# Altium PCB S6.PcbDoc (part 8 of 14)
Units mil, origin at the board's own origin, x right, y up, seen from the top; angles counter-clockwise.
Board outline 5250 x 2929.55 mil, 6 copper layers (Top Layer, Mid-Layer 2, Mid-Layer 4, Mid-Layer 3, Mid-Layer 1, Bottom Layer); 345 components, 365 nets, 2233 pads, 960 vias.
Unrouted connection lines stored in the file: 1.
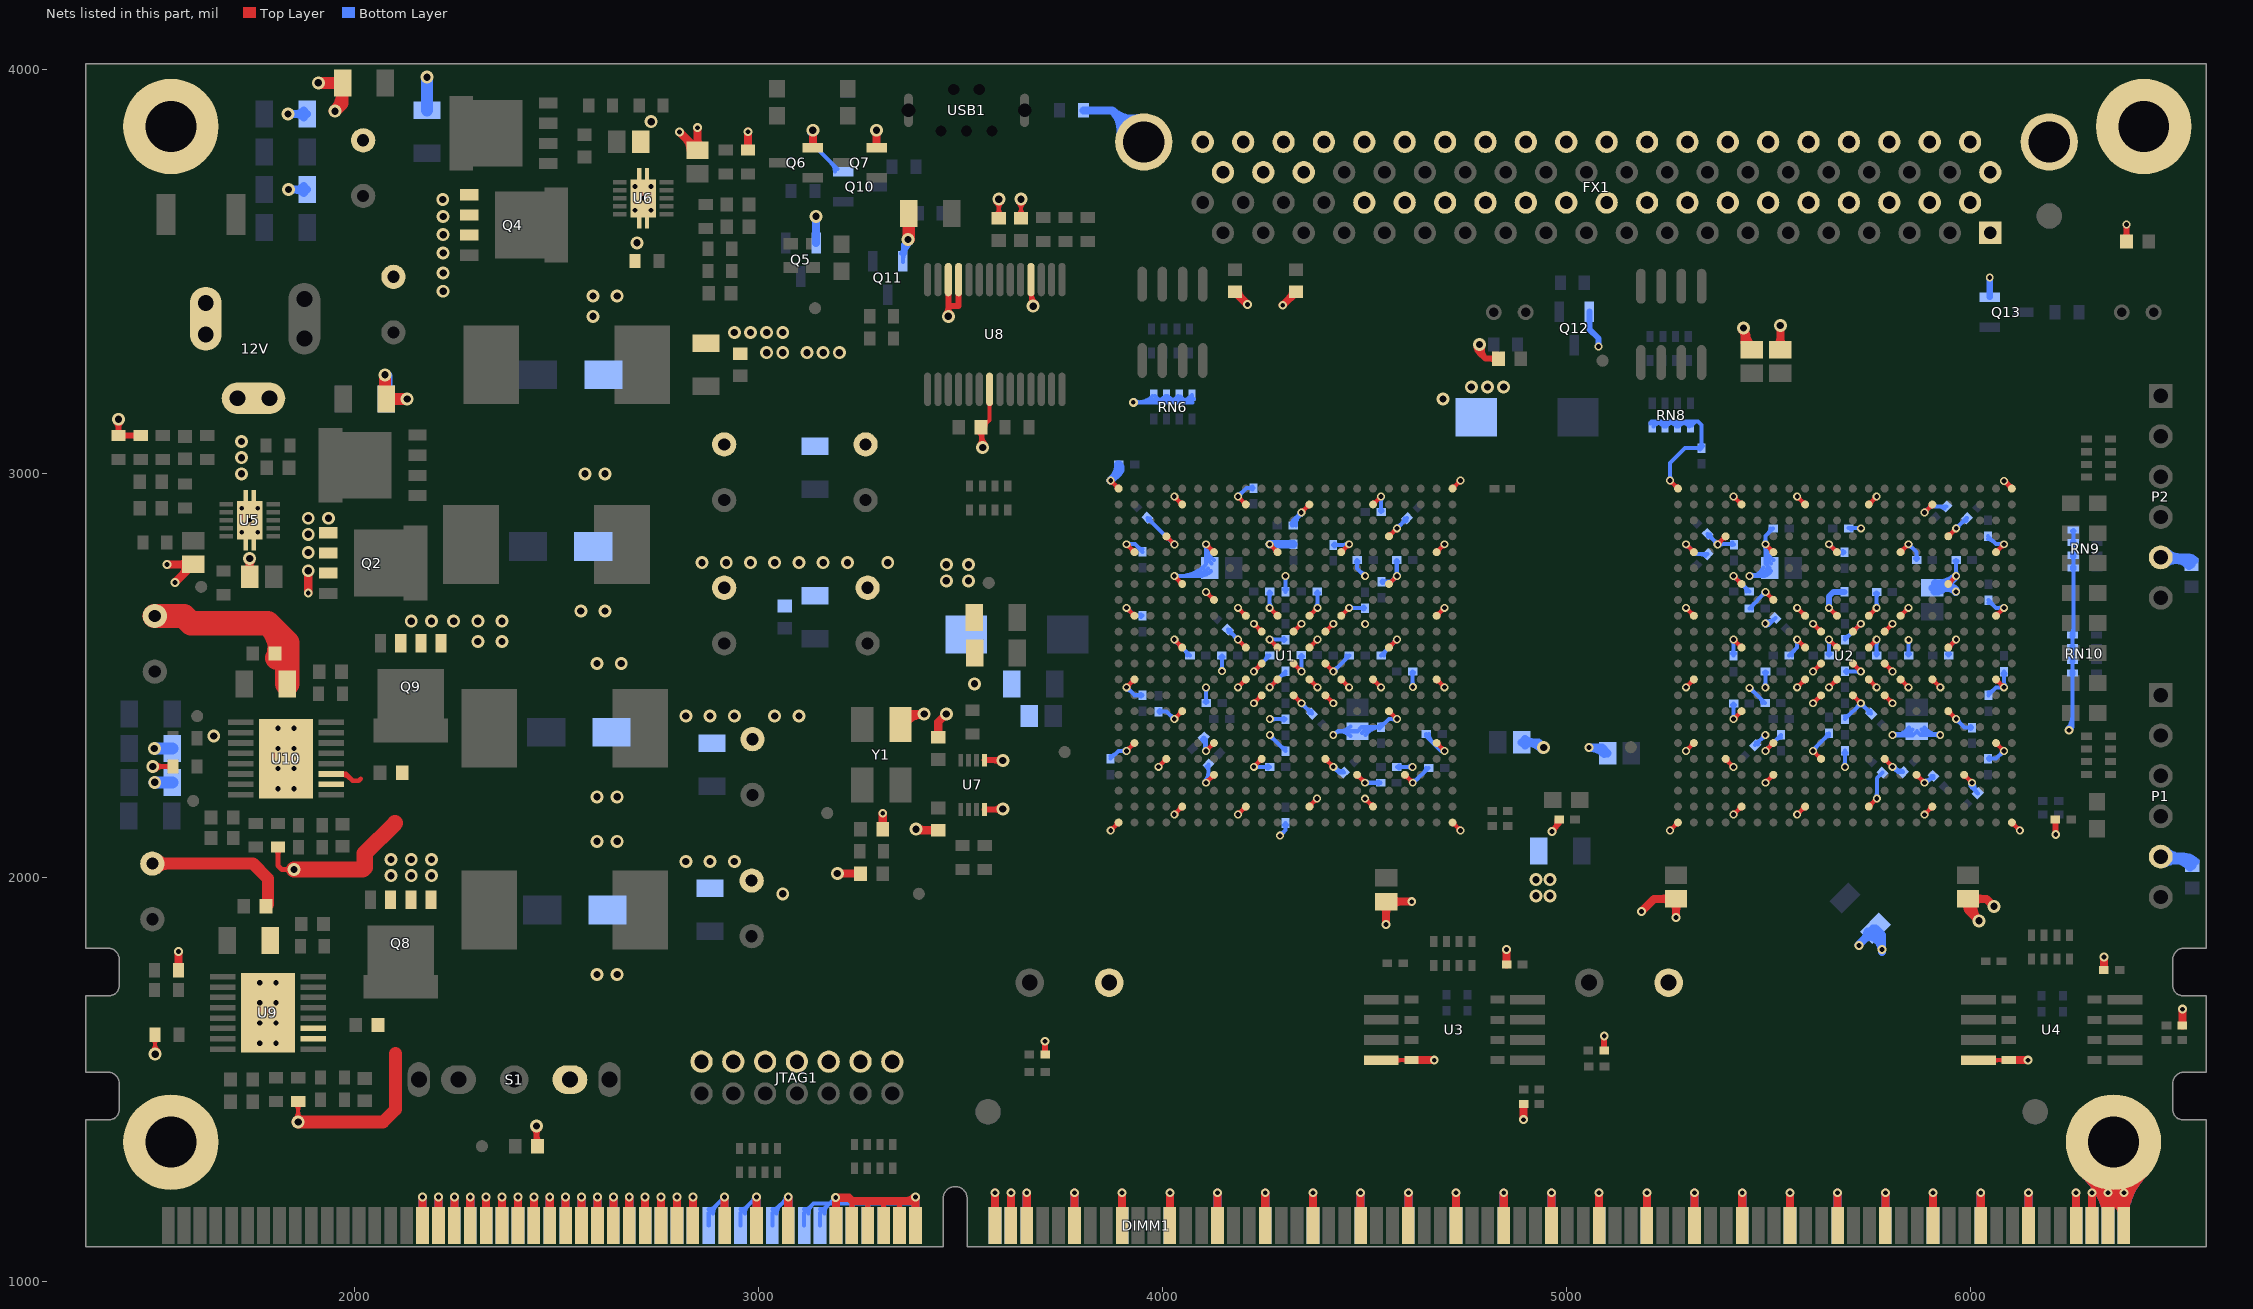
[diagram p12: the nets of this part, all layers, seen from the top]

## Via types
v1: diameter 19.68, hole 11.81, Top Layer to Bottom Layer, tented both sides, 469 vias
v2: diameter 32, hole 18, Top Layer to Bottom Layer, tented both sides, 257 vias
v3: diameter 22, hole 12, Top Layer to Bottom Layer, tented both sides, 185 vias
v4: diameter 25.59, hole 12.99, Top Layer to Bottom Layer, tented bottom, 16 vias
v5: diameter 50, hole 28, Top Layer to Bottom Layer, tented both sides, 15 vias
v6: diameter 23.62, hole 11.81, Top Layer to Bottom Layer, tented bottom, 10 vias
v7: diameter 20, hole 12, Top Layer to Bottom Layer, tented both sides, 5 vias
v8: diameter 21.65, hole 11.81, Top Layer to Bottom Layer, tented both sides, 2 vias
v9: diameter 39.37, hole 39.37, Top Layer to Bottom Layer, 1 vias

## Nets (pads, with @x,y where several pads share a name; then routed paths per layer and width w, separated by ;. In a path a pad name is that pad's centre, name@x,y a point inside that pad or via, vN(x,y) a via of type N, cw(c..) or ccw(c..) an arc to the next point about the centre after c; other vN are vias at no path point) (continued)
GND: 12V.2 12V.2A 12V.2B 12V.3 12V.3A 12V.3B C1.2 C2.2 C3.1 C4.1 C5.1 C6.2 C7.1 C8.1 C11.2 C12.2 C13.1 C14.1 C16.2 C17.1 C18.1 C20.1 C21.2 C22.1 C23.1 C26.2 C27.2 C28.1 C29.1 C31.1 C32.2 C34.1 C35.1 C36.2 C37.1 C38.1 C39.1 C40.2 C41.2 C42.1 C43.1 C44.2 C45.1 C46.1 C47.2 C48.1 C49.1 C50.1 C51.1 C52.1 C53.1 C54.1 C55.1 C56.1 C57.1 C58.1 C59.1 C60.1 C61.1 C62.1 C63.1 C64.1 C65.1 C66.1 C67.1 C68.1 C69.1 C70.1 C71.1 C72.1 C73.1 C74.1 C75.1 C76.1 C77.1 C78.2 C79.1 C80.1 C81.1 C82.1 C83.1 C84.1 C85.1 C86.1 C87.1 C88.1 C89.1 C90.1 C91.1 C92.1 C93.1 C94.1 C95.1 C96.1 C97.1 C98.1 C99.1 C100.1 C101.1 C102.1 C103.1 C104.1 C105.1 C106.1 C107.1 C108.1 C109.1 C110.1 C111.1 C112.1 C113.1 C114.1 C115.1 C116.1 C117.1 C118.1 C119.1 C120.1 C121.1 C122.1 C123.1 C124.1 C125.1 C126.1 C127.1 C128.1 C129.1 C130.1 C131.1 C132.2 C133.1 C134.1 C135.1 C136.1 C137.1 C138.1 C139.1 C140.1 C141.1 C142.1 C143.1 C144.1 C145.1 C146.1 C147.1 C148.1 C149.1 C150.1 C151.1 C152.1 C154.2 C155.2 C156.1 C157.1 C158.1 C159.1 C163.1 C165.2 C166.2 C167.1 C168.1 C169.1 C170.2 D1.1 D2.1 D3.1 D4.1 DIMM1.17 DIMM1.18 DIMM1.19 DIMM1.20 DIMM1.21 DIMM1.22 DIMM1.23 DIMM1.24 DIMM1.25 DIMM1.26 DIMM1.27 DIMM1.28 DIMM1.29 DIMM1.30 DIMM1.31 DIMM1.32 DIMM1.33 DIMM1.34 DIMM1.36 DIMM1.38 DIMM1.40 DIMM1.43 DIMM1.44 DIMM1.45 DIMM1.46 DIMM1.47 DIMM1.48 DIMM1.49 DIMM1.50 DIMM1.51 DIMM1.54 DIMM1.57 DIMM1.60 DIMM1.63 DIMM1.66 DIMM1.69 DIMM1.72 DIMM1.75 DIMM1.78 DIMM1.81 DIMM1.84 DIMM1.87 DIMM1.90 DIMM1.93 DIMM1.96 DIMM1.99 DIMM1.102 DIMM1.105 DIMM1.108 DIMM1.111 DIMM1.114 DIMM1.117 DIMM1.118 DIMM1.119 DIMM1.120 DIMM1.137 DIMM1.138 DIMM1.139 DIMM1.140 DIMM1.141 DIMM1.142 DIMM1.143 DIMM1.144 DIMM1.145 DIMM1.146 DIMM1.147 DIMM1.148 DIMM1.149 DIMM1.150 DIMM1.151 DIMM1.152 DIMM1.153 DIMM1.154 DIMM1.155 DIMM1.156 DIMM1.157 DIMM1.158 DIMM1.159 DIMM1.160 DIMM1.161 DIMM1.162 DIMM1.163 DIMM1.164 DIMM1.165 DIMM1.166 DIMM1.167 DIMM1.168 DIMM1.169 DIMM1.170 DIMM1.171 DIMM1.174 DIMM1.177 DIMM1.180 DIMM1.183 DIMM1.186 DIMM1.189 DIMM1.192 DIMM1.195 DIMM1.198 DIMM1.201 DIMM1.204 DIMM1.207 DIMM1.210 DIMM1.213 DIMM1.216 DIMM1.219 DIMM1.222 DIMM1.225 DIMM1.228 DIMM1.231 DIMM1.234 DIMM1.237 DIMM1.238 DIMM1.239 DIMM1.240 FX1.1 FX1.2 FX1.4 FX1.6 FX1.8 FX1.10 FX1.12 FX1.14 FX1.16 FX1.18 FX1.20 FX1.22 FX1.24 FX1.26 FX1.28 FX1.30 FX1.32 FX1.41 FX1.42 FX1.44 FX1.46 FX1.48 FX1.50 FX1.52 FX1.54 FX1.56 FX1.58 FX1.60 FX1.62 FX1.64 FX1.66 FX1.68 FX1.70 FX1.72 FX1.74 FX1.75 FX1.76 FX1.77 FX1.78 FX1.79 FX1.80 FX1.81 FX1.82 JTAG1.1 JTAG1.3 JTAG1.5 JTAG1.7 JTAG1.9 JTAG1.11 JTAG1.13 P1.5 P2.5 pad.0 PROG1.1 PROG2.1 Q2.1 Q2.2 Q2.3 Q4.1 Q4.2 Q4.3 Q5.2 Q6.2 Q7.2 Q8.1 Q8.2 Q8.3 Q9.1 Q9.2 Q9.3 Q10.2 Q11.2 Q12.2 Q13.2 R2.1 R4.1 R5.1 R10.1 R12.2 R17.2 R21.2 R23.2 R31.1 R33.2 R40.1 R45.1 R56.1 R64.2 R65.2 R69.1 R72.2 R77.2 RN6.1 RN6.2 RN6.3 RN6.4 RN8.1 RN8.2 RN8.3 RN8.4 RN9.1 RN9.2 RN9.3 RN9.4 RN10.1 RN10.2 RN10.3 RN10.4 S1.1 U1.A1 U1.A22 U1.AA5 U1.AA9 U1.AA13 U1.AA17 U1.AB1 U1.AB22 U1.B5 U1.B9 U1.B13 U1.B17 U1.D4 U1.D18 U1.E2 U1.E7 U1.E11 U1.E15 U1.E21 U1.G5 U1.G18 U1.H7 U1.J2 U1.J9 U1.J11 U1.J13 U1.J15 U1.J21 U1.K10 U1.K12 U1.K14 U1.L5 U1.L9 U1.L11 U1.L13 U1.L18 U1.M10 U1.M12 U1.M14 U1.N2 U1.N9 U1.N11 U1.N13 U1.N15 U1.N17 U1.N21 U1.P10 U1.P12 U1.P14 U1.R5 U1.R18 U1.U2 U1.U7 U1.U21 U1.V4 U1.V10 U1.V14 U1.W7 U1.W16 U1.W19 U2.A1 U2.A22 U2.AA5 U2.AA9 U2.AA13 U2.AA17 U2.AB1 U2.AB22 U2.B5 U2.B9 U2.B13 U2.B17 U2.D4 U2.D18 U2.E2 U2.E7 U2.E11 U2.E15 U2.E21 U2.G5 U2.G18 U2.H7 U2.J2 U2.J9 U2.J11 U2.J13 U2.J15 U2.J21 U2.K10 U2.K12 U2.K14 U2.L5 U2.L9 U2.L11 U2.L13 U2.L18 U2.M10 U2.M12 U2.M14 U2.N2 U2.N9 U2.N11 U2.N13 U2.N15 U2.N17 U2.N21 U2.P10 U2.P12 U2.P14 U2.R5 U2.R18 U2.U2 U2.U7 U2.U21 U2.V4 U2.V10 U2.V14 U2.W7 U2.W16 U2.W19 U3.4 U4.4 U5.11 U6.11 U7.4 U7.5 U8.7 U8.18 U8.25 U8.26 U9.10 U9.11 U9.17 U10.10 U10.11 U10.17 USB1.4 USB1.5 Y1.2 | length 41616.1
  Top Layer w10: v2@1498.22,1570.78 ccw(c1480.72,1588.28) 1505.47,1588.28 ; R65.2@1499.26,1600.85 cw(c1484.28,1585.87) 1505.47,1585.87 cw(c1526.67,1585.87) R65.2@1511.68,1600.85 ; v2@1500.81,1572.7 ccw(c1496.66,1580.47) 1505.47,1580.47 ; 1505.47,1590.83 ccw(c1533.83,1590.83) v2@1513.78,1570.78 ; R65.2@1505.47,1611 1505.47,1580.47 ; v2(1506,1563) 1506,1579 1505,1580 1505.47,1580.47 ; v2@1510.33,1573.11 cw(c1513.48,1580.47) 1505.47,1580.47 ; C17.1@1728.7,2762.68 ccw(c1701.41,2789.97) v2(1740,2790) ; v2@1731.92,2782.54 cw(c1722.64,2773.97) 1734.84,2770.7 cw(c1747.05,2767.43) v2@1743.28,2779.5 ; v2@1732.22,2782.22 cw(c1713.44,2763.44) 1740,2763.44 cw(c1766.56,2763.44) v2@1747.78,2782.22 ; v2@1737.22,2779.36 cw(c1734.51,2768.95) 1744.89,2771.74 cw(c1755.28,2774.52) v2@1747.73,2782.17 ; C17.1@1740,2745.47 v2(1740,2790) ccw(c1776.53,2790) C17.1@1751.76,2763.15 ; v2@1852.22,1402.78 ccw(c1833.44,1421.56) 1860,1421.56 ccw(c1886.56,1421.56) v2@1867.78,1402.78 ; R69.1@1853.79,1439.26 cw(c1838.8,1424.28) 1860,1424.28 cw(c1881.2,1424.28) R69.1@1866.21,1439.26 ; v2(1860,1395) R69.1@1860,1445.47 ; DIMM1.44@3223.45,1175.73 ccw(c3205.1,1194.07) 3231.05,1194.07 ccw(c3257,1194.07) DIMM1.44@3238.65,1175.73 ; DIMM1.44@3231.05,1138.6 3231.05,1197.89 ; DIMM1.45@3262.82,1175.73 ccw(c3244.47,1194.07) 3270.42,1194.07 ccw(c3296.37,1194.07) DIMM1.45@3278.02,1175.73 ; DIMM1.45@3270.42,1138.6 3270.42,1197.58 ; DIMM1.46@3302.19,1175.73 ccw(c3283.84,1194.07) 3309.79,1194.07 ccw(c3335.74,1194.07) DIMM1.46@3317.39,1175.73 ; DIMM1.46@3309.79,1138.6 3309.79,1198.21 ; DIMM1.47@3341.56,1175.73 ccw(c3323.21,1194.07) 3349.16,1194.07 ccw(c3375.11,1194.07) DIMM1.47@3356.76,1175.73 ; DIMM1.47@3349.16,1138.6 3349.16,1198.84 ; C45.1@3542.96,3105.43 cw(c3515.03,3077.5) v2@3554.53,3077.5 ; v2@3546.29,3071.72 ccw(c3527.31,3086.39) 3550.48,3092.6 ; v2@3547.22,3072.78 ccw(c3529.58,3090.42) 3554.53,3090.42 ; 3552.55,3084.89 ccw(c3569.03,3089.31) v2@3560.5,3074.53 ; C45.1@3553.16,3127.4 ccw(c3558.02,3146.86) 3572.2,3132.68 ; 3554.53,3092.7 ccw(c3582.7,3092.7) v2@3562.78,3072.78 ; 3554.53,3096.66 cw(c3566.93,3096.66) C45.1@3558.16,3105.43 ; v2(3555,3065) 3554.53,3065.47 3554.53,3115 3572.2,3132.68 ; C45.1@3561.31,3116.97 cw(c3572.92,3116.97) C45.1@3564.71,3125.18 ; U8.7@3569.48,3173.96 cw(c3562.89,3167.38) 3572.2,3167.38 cw(c3581.52,3167.38) U8.7@3574.93,3173.96 ; U8.7@3572.2,3209.17 3572.2,3132.68 ; v2@3587.22,3672.22 cw(c3568.44,3653.44) 3595,3653.44 cw(c3621.56,3653.44) v2@3602.78,3672.22 ; C44.2@3587.4,3640.16 ccw(c3569.05,3658.51) 3595,3658.51 ccw(c3620.95,3658.51) C44.2@3602.6,3640.16 ; C44.2@3595,3634.53 v2(3595,3680) ; v2@3642.22,3672.22 cw(c3623.44,3653.44) 3650,3653.44 cw(c3676.56,3653.44) v2@3657.78,3672.22 ; C47.2@3642.4,3640.16 ccw(c3624.05,3658.51) 3650,3658.51 ccw(c3675.95,3658.51) C47.2@3657.6,3640.16 ; C47.2@3650,3634.53 v2(3650,3680) ; U8.18@3671.84,3445.62 cw(c3665.25,3439.03) 3674.57,3439.03 cw(c3683.88,3439.03) U8.18@3677.3,3445.62 ; 3674.57,3430.53 ccw(c3695.53,3430.53) v2@3680.71,3415.71 ; U8.18@3674.57,3454.67 ccw(c3719.67,3454.67) v2@3687.78,3422.78 ; U8.18@3674.57,3480.83 3674.57,3420.43 v2(3680,3415) ; v1(3871.93,2116.93) U1.AB1@3891.61,2136.61 ; v1@3871.93,2121.77 ccw(c3871.93,2133.46) 3880.19,2125.19 ccw(c3888.46,2116.93) v1@3876.77,2116.93 ; v1@3871.93,2978.23 cw(c3871.93,2966.54) 3880.19,2974.81 cw(c3888.46,2983.07) v1@3876.77,2983.07 ; v1(3871.93,2983.07) U1.A1@3891.61,2963.39 ; U1.AB1@3886.77,2136.61 cw(c3875.08,2136.61) 3883.35,2128.35 cw(c3891.61,2120.08) U1.AB1@3891.61,2131.77 ; U1.A1@3886.77,2963.39 ccw(c3875.08,2963.39) 3883.35,2971.65 ccw(c3891.61,2979.92) U1.A1@3891.61,2968.23 ; v1(3911.3,2313.78) U1.U2@3930.98,2333.46 ; v1@3911.3,2318.62 ccw(c3911.3,2330.31) 3919.56,2322.05 ccw(c3927.83,2313.78) v1@3916.14,2313.78 ; v1(3911.3,2471.26) U1.N2@3930.98,2490.95 ; v1@3911.3,2476.1 ccw(c3911.3,2487.79) 3919.56,2479.53 ccw(c3927.83,2471.26) v1@3916.14,2471.26 ; v1@3911.3,2663.27 cw(c3911.3,2651.58) 3919.56,2659.84 cw(c3927.83,2668.11) v1@3916.14,2668.11 ; v1(3911.3,2668.11) U1.J2@3930.98,2648.43 ; v1@3911.3,2820.75 cw(c3911.3,2809.06) 3919.56,2817.32 cw(c3927.83,2825.59) v1@3916.14,2825.59 ; v1(3911.3,2825.59) U1.E2@3930.98,2805.91 ; U1.U2@3926.14,2333.46 cw(c3914.45,2333.46) 3922.72,2325.2 cw(c3930.98,2316.93) U1.U2@3930.98,2328.62 ; U1.N2@3926.14,2490.95 cw(c3914.45,2490.95) 3922.72,2482.68 cw(c3930.98,2474.41) U1.N2@3930.98,2486.1 ; U1.J2@3926.14,2648.43 ccw(c3914.45,2648.43) 3922.72,2656.69 ccw(c3930.98,2664.96) U1.J2@3930.98,2653.27 ; U1.E2@3926.14,2805.91 ccw(c3914.45,2805.91) 3922.72,2814.17 ccw(c3930.98,2822.44) U1.E2@3930.98,2810.75 ; v1(3990.04,2274.41) U1.V4@4009.72,2294.09 ; v1@3990.04,2279.25 ccw(c3990.04,2290.94) 3998.31,2282.68 ccw(c4006.57,2274.41) v1@3994.88,2274.41 ; U1.V4@4004.88,2294.09 cw(c3993.19,2294.09) 4001.46,2285.83 cw(c4009.72,2277.56) U1.V4@4009.72,2289.25 ; U1.D4@4009.72,2840.43 cw(c4009.72,2828.74) 4017.99,2837.01 cw(c4026.26,2845.28) U1.D4@4014.57,2845.28 ; U1.D4@4009.72,2845.28 v1(4030,2825) ; v1@4025.16,2825 ccw(c4013.47,2825) 4021.73,2833.27 ccw(c4030,2841.53) v1@4030,2829.84 ; v1(4029.41,2156.3) U1.AA5@4049.09,2175.98 ; v1@4029.41,2161.14 ccw(c4029.41,2172.83) 4037.68,2164.56 ccw(c4045.94,2156.3) v1@4034.25,2156.3 ; v1(4029.41,2392.52) U1.R5@4049.09,2412.2 ; v1@4029.41,2397.36 ccw(c4029.41,2409.05) 4037.68,2400.79 ccw(c4045.94,2392.52) v1@4034.25,2392.52 ; v1@4029.41,2584.53 cw(c4029.41,2572.84) 4037.68,2581.1 cw(c4045.94,2589.37) v1@4034.25,2589.37 ; v1(4029.41,2589.37) U1.L5@4049.09,2569.69 ; v1@4029.41,2742.01 cw(c4029.41,2730.32) 4037.68,2738.58 cw(c4045.94,2746.85) v1@4034.25,2746.85 ; v1(4029.41,2746.85) U1.G5@4049.09,2727.17 ; v1@4029.41,2938.86 cw(c4029.41,2927.17) 4037.68,2935.44 cw(c4045.94,2943.7) v1@4034.25,2943.7 ; v1(4029.41,2943.7) U1.B5@4049.09,2924.02 ; U1.AA5@4044.25,2175.98 cw(c4032.56,2175.98) 4040.83,2167.72 cw(c4049.09,2159.45) U1.AA5@4049.09,2171.14 ; U1.R5@4044.25,2412.2 cw(c4032.56,2412.2) 4040.83,2403.94 cw(c4049.09,2395.67) U1.R5@4049.09,2407.36 ; U1.L5@4044.25,2569.69 ccw(c4032.56,2569.69) 4040.83,2577.95 ccw(c4049.09,2586.22) U1.L5@4049.09,2574.53 ; U1.G5@4044.25,2727.17 ccw(c4032.56,2727.17) 4040.83,2735.43 ccw(c4049.09,2743.7) U1.G5@4049.09,2732.01 ; U1.B5@4044.25,2924.02 ccw(c4032.56,2924.02) 4040.83,2932.28 ccw(c4049.09,2940.55) U1.B5@4049.09,2928.86 ; v1(4108.15,2235.04) U1.W7@4127.83,2254.72 ; v1@4108.15,2239.88 ccw(c4108.15,2251.57) 4116.42,2243.31 ccw(c4124.68,2235.04) v1@4112.99,2235.04 ; v1(4108.15,2313.78) U1.U7@4127.83,2333.46 ; v1@4108.15,2318.62 ccw(c4108.15,2330.31) 4116.42,2322.05 ccw(c4124.68,2313.78) v1@4112.99,2313.78 ; v1@4108.15,2702.64 cw(c4108.15,2690.95) 4116.42,2699.21 cw(c4124.68,2707.48) v1@4112.99,2707.48 ; v1(4108.15,2707.48) U1.H7@4127.83,2687.8 ; v1@4108.15,2820.75 cw(c4108.15,2809.06) 4116.42,2817.32 cw(c4124.68,2825.59) v1@4112.99,2825.59 ; v1(4108.15,2825.59) U1.E7@4127.83,2805.91 ; U1.W7@4122.99,2254.72 cw(c4111.3,2254.72) 4119.57,2246.46 cw(c4127.83,2238.19) U1.W7@4127.83,2249.88 ; U1.U7@4122.99,2333.46 cw(c4111.3,2333.46) 4119.57,2325.2 cw(c4127.83,2316.93) U1.U7@4127.83,2328.62 ; U1.H7@4122.99,2687.8 ccw(c4111.3,2687.8) 4119.57,2696.06 ccw(c4127.83,2704.33) U1.H7@4127.83,2692.64 ; U1.E7@4122.99,2805.91 ccw(c4111.3,2805.91) 4119.57,2814.17 ccw(c4127.83,2822.44) U1.E7@4127.83,2810.75 ; v1(4186.89,2156.3) U1.AA9@4206.57,2175.98 ; v1@4186.89,2161.14 ccw(c4186.89,2172.83) 4195.16,2164.56 ccw(c4203.42,2156.3) v1@4191.73,2156.3 ; v1(4186.89,2471.26) U1.N9@4206.57,2490.95 ; v1@4186.89,2476.1 ccw(c4186.89,2487.79) 4195.16,2479.53 ccw(c4203.42,2471.26) v1@4191.73,2471.26 ; v1@4186.89,2584.53 cw(c4186.89,2572.84) 4195.16,2581.1 cw(c4203.42,2589.37) v1@4191.73,2589.37 ; v1(4186.89,2589.37) U1.L9@4206.57,2569.69 ; v1@4186.89,2663.27 cw(c4186.89,2651.58) 4195.16,2659.84 cw(c4203.42,2668.11) v1@4191.73,2668.11 ; v1(4186.89,2668.11) U1.J9@4206.57,2648.43 ; v1@4186.89,2938.86 cw(c4186.89,2927.17) 4195.16,2935.44 cw(c4203.42,2943.7) v1@4191.73,2943.7 ; v1(4186.89,2943.7) U1.B9@4206.57,2924.02 ; U1.AA9@4201.73,2175.98 cw(c4190.04,2175.98) 4198.31,2167.72 cw(c4206.57,2159.45) U1.AA9@4206.57,2171.14 ; U1.N9@4201.73,2490.95 cw(c4190.04,2490.95) 4198.31,2482.68 cw(c4206.57,2474.41) U1.N9@4206.57,2486.1 ; U1.L9@4201.73,2569.69 ccw(c4190.04,2569.69) 4198.31,2577.95 ccw(c4206.57,2586.22) U1.L9@4206.57,2574.53 ; U1.J9@4201.73,2648.43 ccw(c4190.04,2648.43) 4198.31,2656.69 ccw(c4206.57,2664.96) U1.J9@4206.57,2653.27 ; U1.B9@4201.73,2924.02 ccw(c4190.04,2924.02) 4198.31,2932.28 ccw(c4206.57,2940.55) U1.B9@4206.57,2928.86 ; v1(4226.26,2274.41) U1.V10@4245.94,2294.09 ; v1@4226.26,2279.25 ccw(c4226.26,2290.94) 4234.53,2282.68 ccw(c4242.79,2274.41) v1@4231.1,2274.41 ; v1(4226.26,2431.89) U1.P10@4245.94,2451.57 ; v1@4226.26,2436.73 ccw(c4226.26,2448.42) 4234.53,2440.16 ccw(c4242.79,2431.89) v1@4231.1,2431.89 ; v1(4226.26,2510.63) U1.M10@4245.94,2530.32 ; v1@4226.26,2515.47 ccw(c4226.26,2527.16) 4234.53,2518.9 ccw(c4242.79,2510.63) v1@4231.1,2510.63 ; v1@4226.26,2623.9 cw(c4226.26,2612.21) 4234.53,2620.47 cw(c4242.79,2628.74) v1@4231.1,2628.74 ; v1(4226.26,2628.74) U1.K10@4245.94,2609.06 ; U1.V10@4241.1,2294.09 cw(c4229.41,2294.09) 4237.68,2285.83 cw(c4245.94,2277.56) U1.V10@4245.94,2289.25 ; U1.P10@4241.1,2451.57 cw(c4229.41,2451.57) 4237.68,2443.31 cw(c4245.94,2435.04) U1.P10@4245.94,2446.73 ; U1.M10@4241.1,2530.32 cw(c4229.41,2530.32) 4237.68,2522.05 cw(c4245.94,2513.78) U1.M10@4245.94,2525.47 ; U1.K10@4241.1,2609.06 ccw(c4229.41,2609.06) 4237.68,2617.32 ccw(c4245.94,2625.59) U1.K10@4245.94,2613.9 ; v1(4265.63,2471.26) U1.N11@4285.31,2490.95 ; v1@4265.63,2476.1 ccw(c4265.63,2487.79) 4273.9,2479.53 ccw(c4282.16,2471.26) v1@4270.47,2471.26 ; v1@4265.63,2584.53 cw(c4265.63,2572.84) 4273.9,2581.1 cw(c4282.16,2589.37) v1@4270.47,2589.37 ; v1(4265.63,2589.37) U1.L11@4285.31,2569.69 ; v1@4265.63,2663.27 cw(c4265.63,2651.58) 4273.9,2659.84 cw(c4282.16,2668.11) v1@4270.47,2668.11 ; v1(4265.63,2668.11) U1.J11@4285.31,2648.43 ; v1@4265.63,2820.75 cw(c4265.63,2809.06) 4273.9,2817.32 cw(c4282.16,2825.59) v1@4270.47,2825.59 ; v1(4265.63,2825.59) U1.E11@4285.31,2805.91 ; U1.N11@4280.47,2490.95 cw(c4268.78,2490.95) 4277.05,2482.68 cw(c4285.31,2474.41) U1.N11@4285.31,2486.1 ; U1.L11@4280.47,2569.69 ccw(c4268.78,2569.69) 4277.05,2577.95 ccw(c4285.31,2586.22) U1.L11@4285.31,2574.53 ; U1.J11@4280.47,2648.43 ccw(c4268.78,2648.43) 4277.05,2656.69 ccw(c4285.31,2664.96) U1.J11@4285.31,2653.27 ; U1.E11@4280.47,2805.91 ccw(c4268.78,2805.91) 4277.05,2814.17 ccw(c4285.31,2822.44) U1.E11@4285.31,2810.75 ; U1.P12@4324.69,2446.73 cw(c4324.69,2435.04) 4332.95,2443.31 cw(c4341.22,2451.57) U1.P12@4329.53,2451.57 ; U1.P12@4324.69,2451.57 v1(4344.37,2431.89) ; U1.M12@4324.69,2525.47 cw(c4324.69,2513.78) 4332.95,2522.05 cw(c4341.22,2530.32) U1.M12@4329.53,2530.32 ; U1.M12@4324.69,2530.32 v1(4344.37,2510.63) ; U1.K12@4324.69,2609.06 v1(4344.37,2628.74) ; U1.K12@4324.69,2613.9 ccw(c4324.69,2625.59) 4332.95,2617.32 ccw(c4341.22,2609.06) U1.K12@4329.53,2609.06 ; v1@4339.53,2431.89 ccw(c4327.84,2431.89) 4336.1,2440.16 ccw(c4344.37,2448.42) v1@4344.37,2436.73 ; v1@4339.53,2510.63 ccw(c4327.84,2510.63) 4336.1,2518.9 ccw(c4344.37,2527.16) v1@4344.37,2515.47 ; v1@4339.53,2628.74 cw(c4327.84,2628.74) 4336.1,2620.47 cw(c4344.37,2612.21) v1@4344.37,2623.9 ; v1(4344,2904.33) 4344.37,2904.33 U1.B13@4364.06,2924.02 U1.B13@4363.02,2924.02 ; v1@4344,2909.17 ccw(c4344,2921.76) 4352.9,2912.86 ; v1@4348.84,2904.33 cw(c4359.64,2904.33) 4352.01,2911.97 ; U1.B13@4359.21,2924.02 cw(c4347.52,2924.02) 4355.79,2915.75 cw(c4364.06,2907.48) U1.B13@4364.06,2919.17 ; U1.AA13@4364.06,2175.98 4364.06,2177.06 v1(4383,2196) ; U1.AA13@4364.06,2180.83 ccw(c4364.06,2189.93) 4370.49,2183.49 ; U1.N13@4364.06,2486.1 cw(c4364.06,2474.41) 4372.32,2482.68 cw(c4380.59,2490.95) U1.N13@4368.9,2490.95 ; U1.N13@4364.06,2490.95 v1(4383.74,2471.26) ; U1.L13@4364.06,2569.69 v1(4383.74,2589.37) ; U1.L13@4364.06,2574.53 ccw(c4364.06,2586.22) 4372.32,2577.95 ccw(c4380.59,2569.69) U1.L13@4368.9,2569.69 ; U1.J13@4364.06,2648.43 v1(4383.74,2668.11) ; U1.J13@4364.06,2653.27 ccw(c4364.06,2664.96) 4372.32,2656.69 ccw(c4380.59,2648.43) U1.J13@4368.9,2648.43 ; U1.AA13@4368.9,2175.98 cw(c4383.17,2175.98) 4373.08,2186.08 ; v1@4378.16,2196 cw(c4366.47,2196) 4374.73,2187.73 cw(c4383,2179.47) v1@4383,2191.16 ; v1@4378.9,2471.26 ccw(c4367.21,2471.26) 4375.47,2479.53 ccw(c4383.74,2487.79) v1@4383.74,2476.1 ; v1@4378.9,2589.37 cw(c4367.21,2589.37) 4375.47,2581.1 cw(c4383.74,2572.84) v1@4383.74,2584.53 ; v1@4378.9,2668.11 cw(c4367.21,2668.11) 4375.47,2659.84 cw(c4383.74,2651.58) v1@4383.74,2663.27 ; U1.V14@4403.43,2289.25 cw(c4403.43,2277.56) 4411.69,2285.83 cw(c4419.96,2294.09) U1.V14@4408.27,2294.09 ; U1.V14@4403.43,2294.09 v1(4423.11,2274.41) ; U1.P14@4403.43,2446.73 cw(c4403.43,2435.04) 4411.69,2443.31 cw(c4419.96,2451.57) U1.P14@4408.27,2451.57 ; U1.P14@4403.43,2451.57 v1(4423.11,2431.89) ; U1.M14@4403.43,2525.47 cw(c4403.43,2513.78) 4411.69,2522.05 cw(c4419.96,2530.32) U1.M14@4408.27,2530.32 ; U1.M14@4403.43,2530.32 v1(4423.11,2510.63) ; U1.K14@4403.43,2609.06 v1(4423.11,2628.74) ; U1.K14@4403.43,2613.9 ccw(c4403.43,2625.59) 4411.69,2617.32 ccw(c4419.96,2609.06) U1.K14@4408.27,2609.06 ; v1@4418.27,2274.41 ccw(c4406.58,2274.41) 4414.84,2282.68 ccw(c4423.11,2290.94) v1@4423.11,2279.25 ; v1@4418.27,2431.89 ccw(c4406.58,2431.89) 4414.84,2440.16 ccw(c4423.11,2448.42) v1@4423.11,2436.73 ; v1@4418.27,2510.63 ccw(c4406.58,2510.63) 4414.84,2518.9 ccw(c4423.11,2527.16) v1@4423.11,2515.47 ; v1@4418.27,2628.74 cw(c4406.58,2628.74) 4414.84,2620.47 cw(c4423.11,2612.21) v1@4423.11,2623.9 ; U1.N15@4442.8,2486.1 cw(c4442.8,2474.41) 4451.06,2482.68 cw(c4459.33,2490.95) U1.N15@4447.64,2490.95 ; U1.N15@4442.8,2490.95 v1(4462.48,2471.26) ; U1.J15@4442.8,2648.43 v1(4462.48,2668.11) ; U1.J15@4442.8,2653.27 ccw(c4442.8,2664.96) 4451.06,2656.69 ccw(c4459.33,2648.43) U1.J15@4447.64,2648.43 ; U1.E15@4442.8,2805.91 v1(4462.48,2825.59) ; U1.E15@4442.8,2810.75 ccw(c4442.8,2822.44) 4451.06,2814.17 ccw(c4459.33,2805.91) U1.E15@4447.64,2805.91 ; v1@4457.64,2471.26 ccw(c4445.95,2471.26) 4454.21,2479.53 ccw(c4462.48,2487.79) v1@4462.48,2476.1 ; v1@4457.64,2668.11 cw(c4445.95,2668.11) 4454.21,2659.84 cw(c4462.48,2651.58) v1@4462.48,2663.27 ; v1@4457.64,2825.59 cw(c4445.95,2825.59) 4454.21,2817.32 cw(c4462.48,2809.06) v1@4462.48,2820.75 ; U1.W16@4482.17,2249.88 cw(c4482.17,2238.19) 4490.43,2246.46 cw(c4498.7,2254.72) U1.W16@4487.01,2254.72 ; U1.W16@4482.17,2254.72 v1(4501.85,2235.04) ; v1@4497.01,2235.04 ccw(c4485.32,2235.04) 4493.58,2243.31 ccw(c4501.85,2251.57) v1@4501.85,2239.88 ; v1@4501.85,2190.79 cw(c4501.85,2179.01) 4510.18,2187.34 ; v1(4501.85,2195.63) U1.AA17@4521.54,2175.98 ; v1@4506.69,2195.63 ccw(c4518.3,2195.63) 4510.09,2187.43 ; U1.AA17@4516.69,2175.98 ccw(c4505,2175.98) 4513.27,2184.25 ccw(c4521.54,2192.52) U1.AA17@4521.54,2180.83 ; U1.N17@4521.54,2486.1 cw(c4521.54,2474.41) 4529.8,2482.68 cw(c4538.07,2490.95) U1.N17@4526.38,2490.95 ; U1.N17@4521.54,2490.95 v1(4541.22,2471.26) ; U1.B17@4521.54,2924.02 v1(4541.22,2943.7) ; U1.B17@4521.54,2928.86 ccw(c4521.54,2940.55) 4529.8,2932.28 ccw(c4538.07,2924.02) U1.B17@4526.38,2924.02 ; v1@4536.38,2471.26 ccw(c4524.69,2471.26) 4532.95,2479.53 ccw(c4541.22,2487.79) v1@4541.22,2476.1 ; v1@4536.38,2943.7 cw(c4524.69,2943.7) 4532.95,2935.44 cw(c4541.22,2927.17) v1@4541.22,2938.86 ; U1.R18@4560.91,2407.36 cw(c4560.91,2395.67) 4569.17,2403.94 cw(c4577.44,2412.2) U1.R18@4565.75,2412.2 ; U1.R18@4560.91,2412.2 v1(4580.59,2392.52) ; U1.L18@4560.91,2569.69 v1(4580.59,2589.37) ; U1.L18@4560.91,2574.53 ccw(c4560.91,2586.22) 4569.17,2577.95 ccw(c4577.44,2569.69) U1.L18@4565.75,2569.69 ; U1.G18@4560.91,2727.17 v1(4580.59,2746.85) ; U1.G18@4560.91,2732.01 ccw(c4560.91,2743.7) 4569.17,2735.43 ccw(c4577.44,2727.17) U1.G18@4565.75,2727.17 ; U1.D18@4560.91,2845.28 v1(4580.59,2864.96) ; U1.D18@4560.91,2850.12 ccw(c4560.91,2861.81) 4569.17,2853.54 ccw(c4577.44,2845.28) U1.D18@4565.75,2845.28 ; v1@4575.75,2392.52 ccw(c4564.06,2392.52) 4572.32,2400.79 ccw(c4580.59,2409.05) v1@4580.59,2397.36 ; v1@4575.75,2589.37 cw(c4564.06,2589.37) 4572.32,2581.1 cw(c4580.59,2572.84) v1@4580.59,2584.53 ; v1@4575.75,2746.85 cw(c4564.06,2746.85) 4572.32,2738.58 cw(c4580.59,2730.32) v1@4580.59,2742.01 ; v1@4575.75,2864.96 cw(c4564.06,2864.96) 4572.32,2856.7 cw(c4580.59,2848.43) v1@4580.59,2860.12 ; U3.4@4578.21,1543.18 cw(c4589.84,1531.56) 4589.84,1548 cw(c4589.84,1564.44) U3.4@4578.21,1552.82 ; U1.W19@4600.28,2249.88 cw(c4600.28,2238.19) 4608.54,2246.46 cw(c4616.81,2254.72) U1.W19@4605.12,2254.72 ; U1.W19@4600.28,2254.72 v1(4619.96,2235.04) ; U3.4@4605.57,1544.58 ccw(c4597.31,1536.31) 4597.31,1548 ccw(c4597.31,1559.69) U3.4@4605.57,1551.42 ; v1@4615.12,2235.04 ccw(c4603.43,2235.04) 4611.69,2243.31 ccw(c4619.96,2251.57) v1@4619.96,2239.88 ; U1.U21@4679.02,2328.62 cw(c4679.02,2316.93) 4687.28,2325.2 cw(c4695.55,2333.46) U1.U21@4683.86,2333.46 ; U1.U21@4679.02,2333.46 v1(4698.7,2313.78) ; U1.N21@4679.02,2486.1 cw(c4679.02,2474.41) 4687.28,2482.68 cw(c4695.55,2490.95) U1.N21@4683.86,2490.95 ; U1.N21@4679.02,2490.95 v1(4698.7,2471.26) ; U1.J21@4679.02,2648.43 v1(4698.7,2668.11) ; U1.J21@4679.02,2653.27 ccw(c4679.02,2664.96) 4687.28,2656.69 ccw(c4695.55,2648.43) U1.J21@4683.86,2648.43 ; U1.E21@4679.02,2805.91 v1(4698.7,2825.59) ; U1.E21@4679.02,2810.75 ccw(c4679.02,2822.44) 4687.28,2814.17 ccw(c4695.55,2805.91) U1.E21@4683.86,2805.91 ; v1@4693.86,2313.78 ccw(c4682.17,2313.78) 4690.44,2322.05 ccw(c4698.7,2330.31) v1@4698.7,2318.62 ; v1@4693.86,2471.26 ccw(c4682.17,2471.26) 4690.44,2479.53 ccw(c4698.7,2487.79) v1@4698.7,2476.1 ; v1@4693.86,2668.11 cw(c4682.17,2668.11) 4690.44,2659.84 cw(c4698.7,2651.58) v1@4698.7,2663.27 ; v1@4693.86,2825.59 cw(c4682.17,2825.59) 4690.44,2817.32 cw(c4698.7,2809.06) v1@4698.7,2820.75 ; U1.AB22@4718.39,2131.77 cw(c4718.39,2120.08) 4726.65,2128.35 cw(c4734.92,2136.61) U1.AB22@4723.23,2136.61 ; U1.AB22@4718.39,2136.61 v1(4738.07,2116.93) ; U1.A22@4718.39,2963.39 v1(4738.07,2983.07) ; U1.A22@4718.39,2968.23 ccw(c4718.39,2979.92) 4726.65,2971.65 ccw(c4734.92,2963.39) U1.A22@4723.23,2963.39 ; v1@4733.23,2116.93 ccw(c4721.54,2116.93) 4729.81,2125.19 ccw(c4738.07,2133.46) v1@4738.07,2121.77 ; v1@4733.23,2983.07 cw(c4721.54,2983.07) 4729.81,2974.81 cw(c4738.07,2966.54) v1@4738.07,2978.23 ; v3@4963.45,2119.8 ccw(c4959.7,2133.79) 4972.24,2126.55 ccw(c4984.79,2119.3) v3@4970.8,2115.55 ; v3@4965,2120 ccw(c4965,2134.49) 4975.24,2124.24 ccw(c4985.49,2114) v3@4971,2114 ; R12.2@4975.53,2143.52 cw(c4939.14,2139.86) v3(4965,2114) 4982.31,2131.31 R12.2@4982.31,2144 ; R12.2@4978.89,2140.58 cw(c4970.62,2132.31) 4982.31,2132.31 cw(c4994.01,2132.31) R12.2@4985.74,2140.58 ; 4979.91,2128.91 ccw(c4966.24,2142.58) R12.2@4985.48,2144.52 ; v1(5256.93,2116.93) U2.AB1@5276.61,2136.61 ; v1@5256.93,2121.77 ccw(c5256.93,2133.46) 5265.19,2125.19 ccw(c5273.46,2116.93) v1@5261.77,2116.93 ; v1@5256.93,2978.23 cw(c5256.93,2966.54) 5265.19,2974.81 cw(c5273.46,2983.07) v1@5261.77,2983.07 ; v1(5256.93,2983.07) U2.A1@5276.61,2963.39 ; U2.AB1@5271.77,2136.61 cw(c5260.08,2136.61) 5268.35,2128.35 cw(c5276.61,2120.08) U2.AB1@5276.61,2131.77 ; U2.A1@5271.77,2963.39 ccw(c5260.08,2963.39) 5268.35,2971.65 ccw(c5276.61,2979.92) U2.A1@5276.61,2968.23 ; v1(5296.3,2313.78) U2.U2@5315.98,2333.46 ; v1@5296.3,2318.62 ccw(c5296.3,2330.31) 5304.56,2322.05 ccw(c5312.83,2313.78) v1@5301.14,2313.78 ; v1(5296.3,2471.26) U2.N2@5315.98,2490.95 ; v1@5296.3,2476.1 ccw(c5296.3,2487.79) 5304.56,2479.53 ccw(c5312.83,2471.26) v1@5301.14,2471.26 ; v1@5296.3,2663.27 cw(c5296.3,2651.58) 5304.56,2659.84 cw(c5312.83,2668.11) v1@5301.14,2668.11 ; v1(5296.3,2668.11) U2.J2@5315.98,2648.43 ; v1@5296.3,2820.75 cw(c5296.3,2809.06) 5304.56,2817.32 cw(c5312.83,2825.59) v1@5301.14,2825.59 ; v1(5296.3,2825.59) U2.E2@5315.98,2805.91 ; U2.U2@5311.14,2333.46 cw(c5299.45,2333.46) 5307.72,2325.2 cw(c5315.98,2316.93) U2.U2@5315.98,2328.62 ; U2.N2@5311.14,2490.95 cw(c5299.45,2490.95) 5307.72,2482.68 cw(c5315.98,2474.41) U2.N2@5315.98,2486.1 ; U2.J2@5311.14,2648.43 